# Altium PCB H204_.PcbDoc (part 1 of 4) (continued)
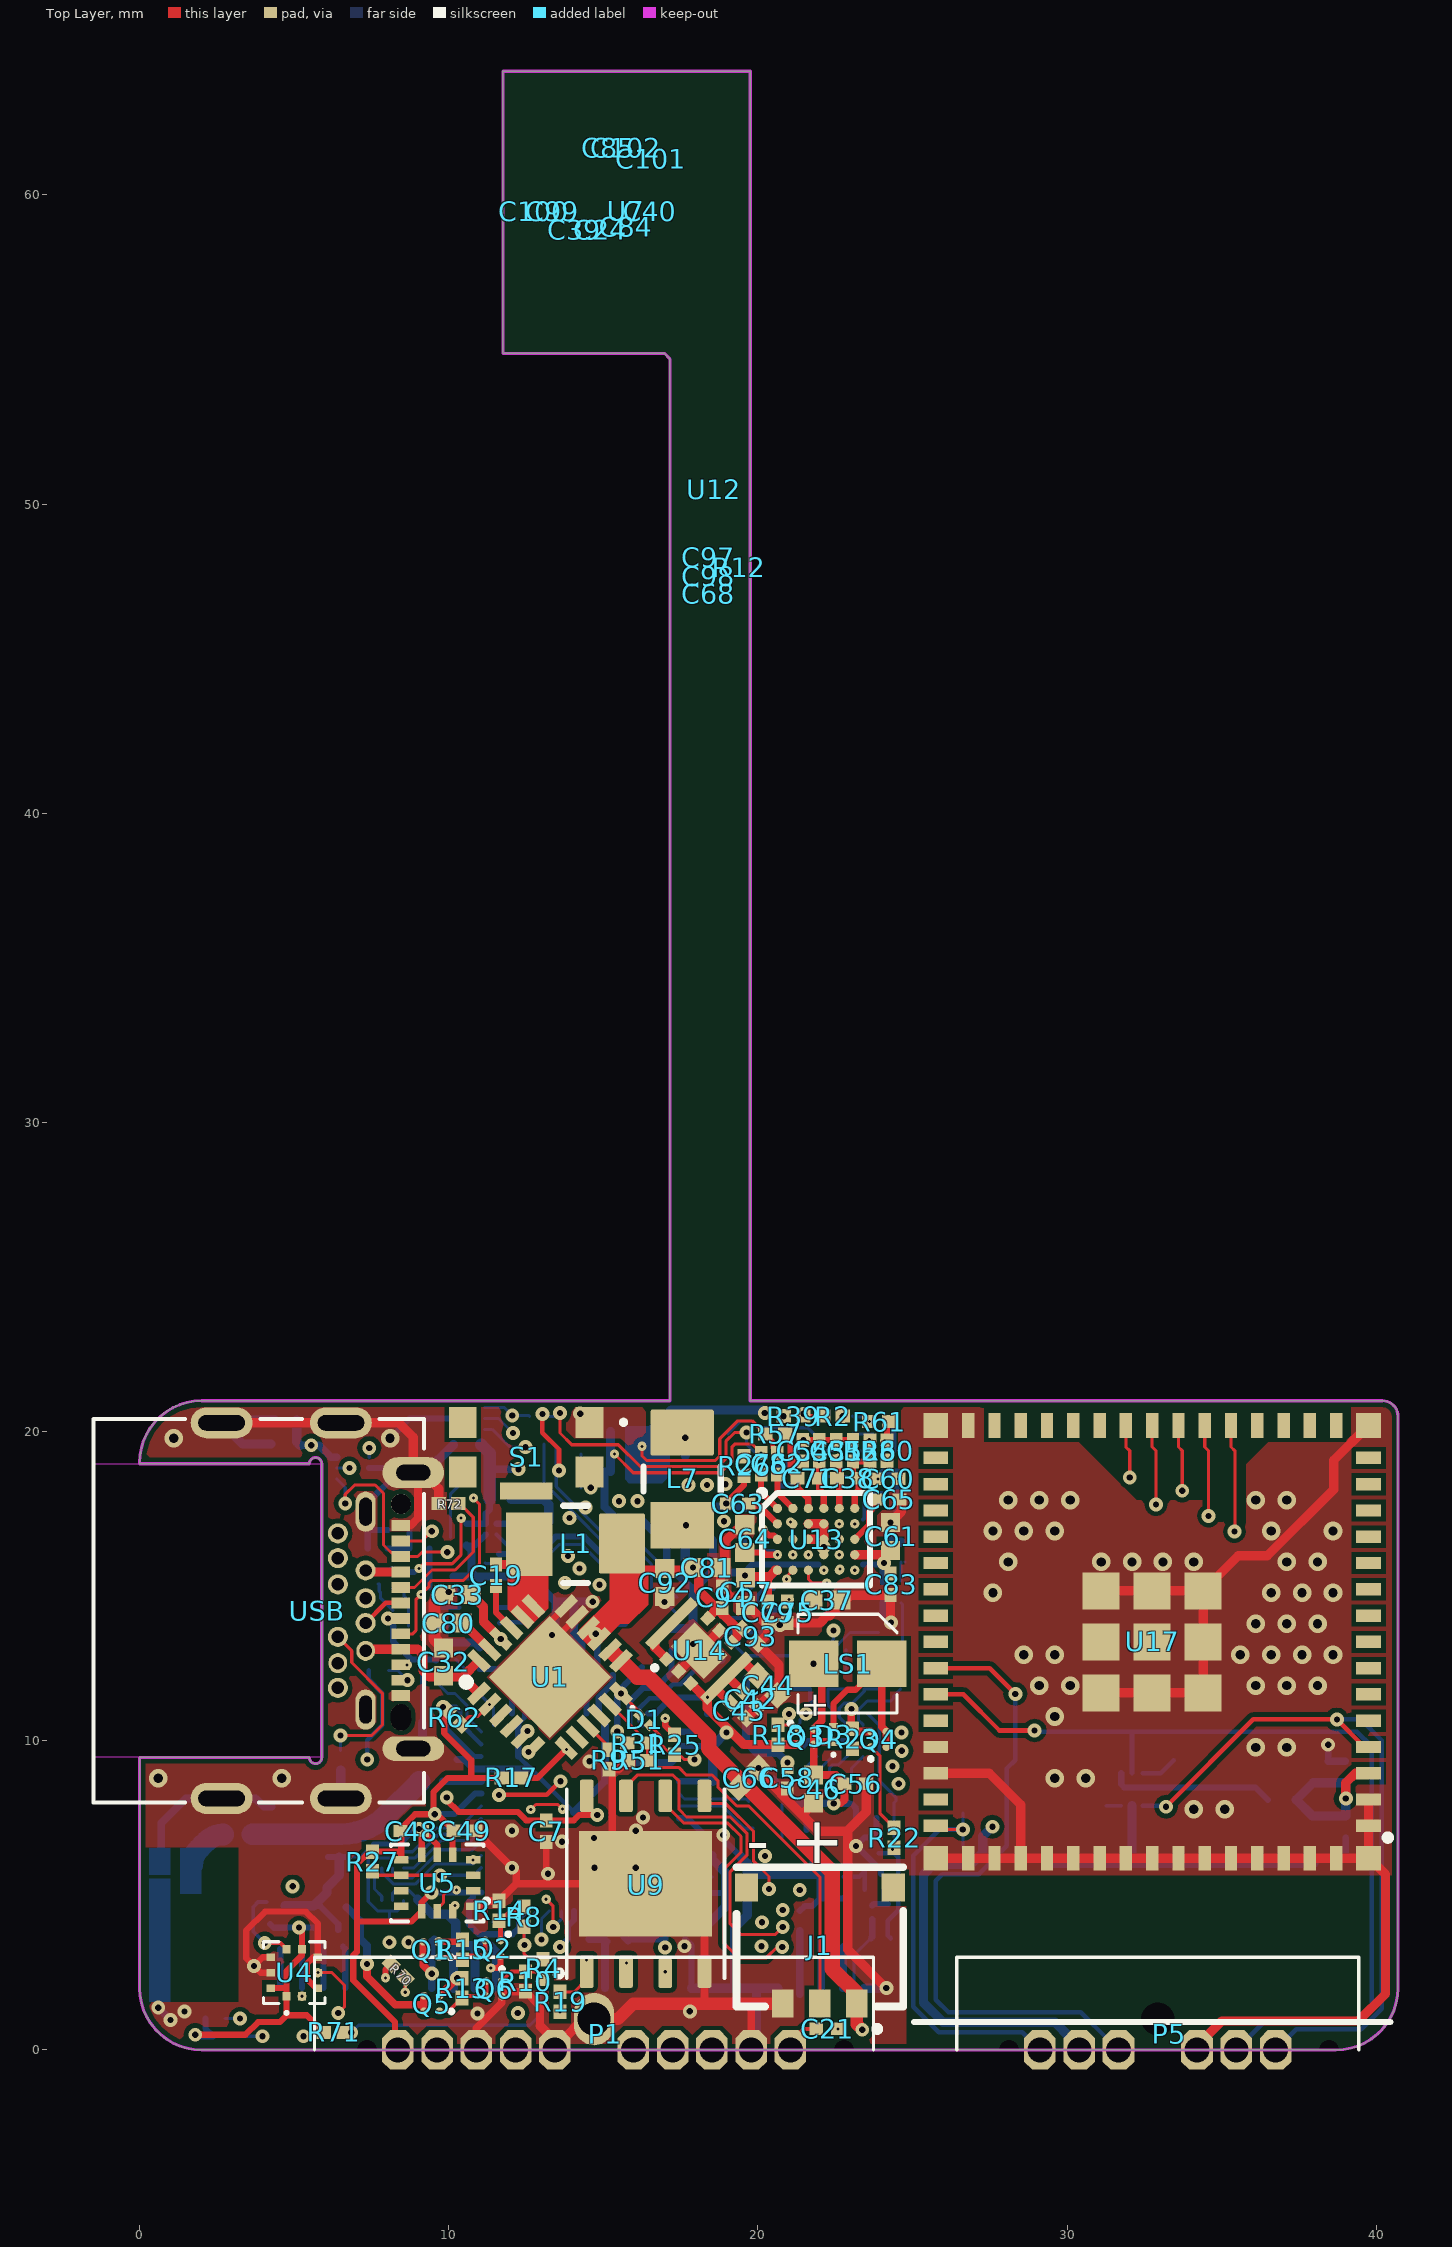
[diagram p0: Top Layer view]
## Components (designator, comment, footprint, x,y, rotation, side; value= is the part's Value field where it differs from the comment)
ANT1 "2450AT07A0100" 2450AT07A0100 1.15,5.601 r270 bottom
C1 "1uF" CAPC0603X33N#1 14.3,12.58 r90 bottom
C2 "1uF" CAPC0603X33N#1 17.2,13.2 r90 bottom
C3 "4.7uF" CAPC1005X55N#1 18.801,12.124 r90 bottom
C4 "1uF" CAPC0603X33N#1 10.998,12.667 r90 bottom
C5 "4.7uF" CAPC1005X55N#1 17.9,12.68 r90 bottom
C6 "0.1uF" CAPC0603X33N#1 13.1,13.38 r0 bottom
C7 "0.1uF" CAPC0603X33N#1 13.15,7.076 r270 top
C8 "2.2nF" CAPC0603X33N#1 9.525,10.539 r180 bottom
C9 "0.1uF" CAPC0603X33N#1 17.3,3.58 r0 bottom
C10 "1uF" CAPC0603X33N#1 14.4,13.78 r180 bottom
C11 "1uF" CAPC0603X33N#1 15.3,12.48 r90 bottom
C12 "0.1uF" CAPC0603X33N#1 18.54,7.035 r0 bottom
C13 "0.1uF" CAPC0603X33N#1 15.45,3.505 r180 bottom
C14 "0.1uF" CAPC0603X33N#1 19.3,5.08 r0 bottom
C15 "0.1uF" CAPC0603X33N#1 14.223,3.58 r0 bottom
C16 "0.1uF" CAPC0603X33N#1 9.3,7.38 r225 bottom
C17 "0.1uF" CAPC0603X33N#1 9.463,11.095 r180 bottom
C18 "0.1uF" CAPC0603X33N#1 9.95,4.742 r270 bottom
C19 "47nF" CAPC0603X33N#1 11.525,15.355 r270 top
C20 "0.7pF" CAPC0603X33N#1 10.258,9.042 r270 bottom
C21 "1uF" CAPC0603X33N#1 22.233,0.68 r0 top
C22 "22uF" CAPC1005X55N#1 38.298,7.08 r270 bottom
C23 "0.1uF" CAPC0603X33N#1 38.442,8.992 r90 bottom
C24 "10uF" CAPC1005X55N#2 14.905,58.876 r270 top
C25 "1uF" CAPC0603X33N#1 26.625,8.009 r90 bottom
C26 "N.C." CAPC0603X33N#1 2,7.15 r315 bottom
C27 "1uF" CAPC0603X33N#1 6.775,3.875 r0 bottom
C28 "1uF" CAPC0603X33N#1 9.875,3.58 r0 bottom
C29 "1uF" CAPC0603X33N#1 21.238,18.607 r90 bottom
C30 "4.7uF" CAPC1005X55N#1 22.79,4.447 r90 bottom
C31 "1uF" CAPC0603X33N#1 19.55,17.155 r90 bottom
C32 "22uF" CAPC1005X55N#1 9.825,12.555 r90 top
C33 "4.7uF" CAPC1005X55N#1 10.275,14.73 r180 top
C34 "1nF" CAPC0603X33N#1 11.673,17.805 r0 bottom
C35 "1uF" CAPC0603X33N#1 24.074,14.812 r270 bottom
C36 "4.7uF" CAPC1005X55N#1 10.594,19.476 r180 bottom
C37 "10uF" CAPC1005X55N#1 22.227,14.552 r0 top
C38 "47pF" CAPC0603X33N#1 22.908,18.492 r180 top
C39 "10uF" CAPC1005X55N#2 14.05,58.876 r270 top
C40 "10uF" CAPC1005X55N#2 16.493,59.476 r270 top
C41 "4.7uF" CAPC1005X55N#1 12.785,17.151 r0 bottom
C42 "1nF" CAPC0603X33N#1 19.75,11.342 r135 top
C43 "100pF" CAPC0603X33N#1 19.37,10.967 r315 top
C44 "22uF" CAPC1005X55N#1 20.31,11.79 r315 top
C45 "10uF" CAPC1005X55N#1 4.7,19.6 r180 bottom
C46 "22uF" CAPC1005X55N#1 21.8,8.44 r270 top
C47 "0.1uF" CAPC0603X33N#1 4.73,20.376 r180 bottom
C48 "0.1uF" CAPC0603X33N#1 8.784,7.08 r0 top
C49 "0.1uF" CAPC0603X33N#1 10.507,7.092 r0 top
C50 "0.1uF" CAPC0603X33N#1 4.7,4.31 r90 bottom
C51 "10pF" CAPC0603X33N#1 22.536,19.38 r270 top
C52 "10pF" CAPC0603X33N#1 23.073,19.38 r90 top
C53 "10pF" CAPC0603X33N#1 21.978,19.38 r270 top
C54 "10pF" CAPC0603X33N#1 21.448,19.38 r90 top
C55 "0.1uF" CAPC0603X33N#1 5.625,4.305 r90 bottom
C56 "0.1uF" CAPC0603X33N#1 23.15,8.612 r0 top
C57 "10uF" CAPC1005X55N#1 19.6,14.825 r270 top
C58 "0.1uF" CAPC0603X33N#1 20.95,8.801 r270 top
C59 "0.1uF" CAPC0603X33N#1 24.627,14.813 r90 bottom
C60 "1uF" CAPC0603X33N#1 24.197,18.47 r180 top
C61 "10uF" CAPC1005X55N#1 24.288,16.61 r90 top
C62 "0.1uF" CAPC0603X33N#1 20.628,18.607 r90 bottom
C63 "1uF" CAPC0603X33N#1 19.35,17.675 r180 top
C64 "15uF" CAPC1005X55N#1 19.574,16.535 r90 top
C65 "1nF" CAPC0603X33N#1 24.225,17.805 r0 top
C66 "22uF" CAPC1005X55N#1 19.703,8.801 r45 top
C67 "10uF" CAPC1005X55N#1 6.375,4.93 r315 bottom
C68 "0.1uF" CAPC0603X33N#2 18.389,47.1 r0 top
C69 "0.1uF" CAPC0603X33N#1 24.074,16.105 r90 bottom
C70 "0.1uF" CAPC0603X33N#1 19.55,15.792 r270 bottom
C71 "47pF" CAPC0603X33N#1 21.628,18.492 r0 top
C72 "1uF" CAPC0603X33N#1 4.947,3.348 r180 bottom
C73 "1uF" CAPC0603X33N#1 6.225,3.342 r0 bottom
C74 "100pF" CAPC0603X33N#1 10.504,16.546 r270 bottom
C75 "0.1uF" CAPC0603X33N#1 20.948,14.158 r270 top
C76 "47nF" CAPC0603X33N#1 20.1,18.96 r90 top
C77 "4.7uF" CAPC1005X55N#1 22.05,4.055 r90 bottom
C78 "N.C." CAPC0603X33N#1 8.467,8.574 r315 bottom
C79 "0.1uF" CAPC0603X33N#1 20.31,14.158 r270 top
C80 "10uF" CAPC1005X55N#1 9.988,13.805 r180 top
C81 "10uF" CAPC1005X55N#1 18.348,15.602 r0 top
C82 "47nF" CAPC0603X33N#1 20.628,18.965 r90 top
C83 "0.1uF" CAPC0603X33N#1 24.288,15.06 r270 top
C84 "0.1uF" CAPC0603X33N#3 15.73,58.976 r270 top
C85 "0.1uF" CAPC0603X33N#3 15.15,61.522 r90 top
C86 "10uF" CAPC1005X55N#1 18.103,16.424 r0 bottom
C87 "10uF" CAPC1005X55N#1 15.485,18.718 r180 bottom
C88 "1nF" CAPC0603X33N#1 39.013,7.217 r90 bottom
C89 "100pF" CAPC0603X33N#1 38.998,8.992 r90 bottom
C90 "0.1uF" CAPC0603X33N#1 22.423,5.6 r180 bottom
C91 "0.1uF" CAPC0603X33N#1 8.38,16.817 r180 bottom
C92 "10uF" CAPC1005X55N#1 16.981,15.117 r270 top
C93 "1nF" CAPC0603X33N#1 19.75,13.384 r315 top
C94 "100pF" CAPC0603X33N#1 18.842,14.642 r90 top
C95 "1nF" CAPC0603X33N#1 15.583,19.46 r180 bottom
C96 "100pF" CAPC0603X33N#1 15.583,19.992 r180 bottom
C97 "1nF" CAPC0603X33N#2 18.389,48.275 r180 top
C98 "100pF" CAPC0603X33N#2 18.389,47.675 r0 top
C99 "1nF" CAPC0603X33N#3 13.35,59.476 r90 top
C100 "100pF" CAPC0603X33N#3 12.75,59.476 r270 top
C101 "1nF" CAPC0603X33N#3 16.53,61.176 r270 top
C102 "100pF" CAPC0603X33N#3 15.73,61.526 r90 top
C103 "4.7uF" CAPC1005X55N#1 18.96,6.275 r0 bottom
C104 "0.1uF" CAPC0603X33N#1 18.9,8.68 r0 bottom
C105 "0.1uF" CAPC0603X33N#1 23.175,6.95 r270 bottom
C106 "10uF" CAPC1005X55N#1 19.525,19.25 r180 bottom
D1 "NSR01L30NXT5G" NSR01L30NXT5G 16.327,10.673 r225 top
D3 "NSR01L30NXT5G" NSR01L30NXT5G 22.44,10.2 r0 top
DS1 "QG-2864TMBEG01" QG-2864TMBEG01 14,2.3 r0 bottom locked
FL1 "EMI2121MTTAG" EMI2121MTTAG 10.689,14.562 r90 bottom
J1 "78171-0003" 78171-0003 22,1.5 r180 top
L1 "1uH / CBC3225T1R0MR" INDM3225X210N#1 14.1,16.353 r0 top
L2 "10µH" INDC1608X100N#1 12.648,12.51 r0 bottom
L3 "N.C." INDC0603X33N 3.928,7.413 r90 bottom
L4 "0R" INDC0603X33N 3.116,6.968 r180 bottom
L5 "10µH" INDC1608X100N#2 16.248,13.18 r270 bottom
L6 "2.2nH" INDC0603X33N 9.481,8.693 r0 bottom
L7 "2.2uH / CBC3225T2R2MR" INDM3225X210N#2 17.548,18.47 r90 top
L8 "BLM15AX601SN1D" INDC1005X55N 36.948,8.092 r0 bottom
LS1 "SMT-0340-T-R" SMT0340TR 22.9,12.492 r270 top
P1 "EC10-IDC-050" EC10-IDC-050 14.7,1 r180 top locked
P5 "EC06-IDC-050" EC06-IDC-050 32.93,1 r180 top
Q1 "CSD23202W10" 4-UFBGA 9.423,3.249 r180 top
Q2 "CSD13201W10" CSD13201W10 11.423,3.292 r270 top
Q3 "CSD23202W10" 4-UFBGA 21.55,10.132 r0 top
Q4 "CSD13201W10" CSD13201W10 23.905,10.048 r90 top
Q5 "CSD23202W10" 4-UFBGA 9.45,1.5 r180 top
Q6 "CSD13201W10" CSD13201W10 11.464,1.98 r270 top
Q7 "CSD23202W10" 4-UFBGA 23.947,4.422 r90 bottom
Q8 "CSD23202W10" 4-UFBGA 9.123,15.21 r0 bottom
Q9 "CSD13201W10" CSD13201W10 24.15,6.617 r180 bottom
Q10 "CSD13201W10" CSD13201W10 8.45,13.96 r270 bottom
R1 "200R" RESC0603X26N#1 24.148,8.067 r0 bottom
R2 "200R" RESC0603X26N#1 22.423,20.5 r0 top
R3 "10k" RESC0603X26N#1 24.148,7.492 r0 bottom value=10K
R4 "200R" RESC0603X26N#1 13.05,2.618 r270 top
R5 "10k" RESC0603X26N#1 23.973,3.554 r180 bottom value=10K
R6 "0R" RESC0603X26N#1 8.075,3.805 r270 bottom
R7 "10k" RESC0603X26N#1 8.173,15.239 r90 bottom value=10K
R8 "200R" RESC0603X26N#1 12.425,4.312 r90 top
R9 "0R" RESC0603X26N#1 15.173,9.392 r90 top
R10 "10k" RESC0603X26N#1 12.475,2.216 r90 top value=10K
R11 "2R2" RESC0603X26N#1 18.678,10.867 r180 bottom
R12 "0R" RESC0603X26N#2 19.375,47.955 r90 top
R13 "10k" RESC0603X26N#1 10.425,2 r90 top value=10K
R14 "10k" RESC0603X26N#1 11.624,4.5 r270 top value=10K
R15 "10k" RESC0603X26N#1 10.442,3.242 r90 top value=10K
R16 "10k" RESC0603X26N#1 26.95,6.55 r180 bottom value=10K
R17 "4.7k" RESC0603X26N#1 12.025,8.797 r180 top
R18 "10k" RESC0603X26N#1 20.65,10.193 r270 top value=10K
R19 "4.7k" RESC0603X26N#1 13.599,1.557 r90 top
R20 "4.7k" RESC0603X26N#1 2.448,1.017 r0 bottom
R21 "4.7k" RESC0603X26N#1 2.696,0.444 r0 bottom
R22 "200R" RESC0603X26N#1 24.4,6.867 r90 top
R23 "10k" RESC0603X26N#1 23.05,10.067 r90 top value=10K
R24 "4.7k" RESC0603X26N#1 4.098,4.466 r90 bottom
R25 "10k" RESC0603X26N#1 17.3,9.87 r270 top value=10K
R26 "324k" RESC0603X26N#1 19.55,18.89 r90 top
R27 "4.7k" RESC0603X26N#1 7.525,6.094 r270 top
R28 "4.7k" RESC0603X26N#1 21.9,8.292 r90 bottom
R29 "4.7k" RESC0603X26N#1 21.329,8.289 r90 bottom
R30 "4.7k" RESC0603X26N#1 22.464,8.276 r90 bottom
R31 "5.49k" RESC0603X26N#1 16.098,9.928 r0 top
R32 "0R" RESC0603X26N#1 8.7,3.805 r270 bottom
R33 "4.7k" RESC0603X26N#1 23.029,8.276 r90 bottom
R34 "10R" RESC0603X26N#1 24.627,16.105 r90 bottom
R35 "4.7k" RESC0603X26N#1 19.95,10.792 r0 bottom
R36 "N.C." RESC0603X26N#1 22.423,18.01 r0 bottom
R37 "N.C." RESC0603X26N#1 21.679,11.992 r270 bottom
R38 "N.C." RESC0603X26N#1 24.024,11.992 r270 bottom
R39 "200R" RESC0603X26N#1 21.148,20.5 r180 top
R40 "N.C." RESC0603X26N#1 22.265,11.992 r270 bottom
R41 "4.7k" RESC0603X26N#1 19.95,11.404 r0 bottom
R42 "4.7k" RESC0603X26N#1 19.934,10.102 r0 bottom
R43 "0R" RESC0603X26N#1 21.093,11.992 r90 bottom
R44 "0R" RESC0603X26N#1 22.851,11.992 r90 bottom
R45 "4.7k" RESC0603X26N#1 19.934,11.992 r0 bottom
R46 "0R" RESC0603X26N#1 23.438,11.992 r90 bottom
R47 "0R" RESC0603X26N#1 24.61,11.992 r90 bottom
R48 "4.7k" RESC0603X26N#1 24.06,20.476 r180 bottom
R49 "4.7k" RESC0603X26N#1 24.06,19.92 r180 bottom
R50 "4.7k" RESC0603X26N#1 24.05,19.376 r180 bottom
R51 "30.9k" RESC0603X26N#1 16.103,9.367 r180 top
R52 "4.7k" RESC0603X26N#1 24.06,18.33 r90 bottom
R53 "0R" RESC0603X26N#1 22.743,19.92 r180 bottom
R54 "0R" RESC0603X26N#1 22.76,19.376 r180 bottom
R55 "0R" RESC0603X26N#1 22.743,20.5 r180 bottom
R56 "910k" RESC0603X26N#1 21.35,4.18 r270 bottom
R57 "200R" RESC0603X26N#1 20.561,19.92 r0 top
R58 "200R" RESC0603X26N#1 23.617,19.38 r270 top
R59 "0R" RESC0603X26N#1 23.45,18.237 r90 bottom
R60 "4.7k" RESC0603X26N#1 24.177,19.38 r270 top
R61 "4.7k" RESC0603X26N#1 23.923,20.325 r180 top
R62 "4.7k" RESC0603X26N#1 10.174,10.76 r135 top
R63 "200R" RESC0603X26N#1 20.998,10.546 r90 bottom
R64 "27k" RESC0603X26N#1 23.775,5.176 r180 bottom value=27K
R65 "75k" RESC0603X26N#3 23.659,5.711 r0 bottom value=75K
R66 "47k" RESC0603X26N#1 9.05,16.217 r180 bottom value=47K
R67 "75k" RESC0603X26N#1 7.698,16.217 r180 bottom value=75K
R68 "200k" RESC0603X26N#1 12.935,20.488 r180 bottom
R69 "0R" RESC0603X26N#1 20.775,8.253 r90 bottom
R70 "10k" RESC0603X26N#1 8.365,2.555 r315 top value=10K
R71 "10k" RESC0603X26N#1 6.275,0.567 r0 top value=10K
R72 "5.1k" RESC0603X26N#1 9.991,17.676 r180 top
R73 "5.1k" RESC0603X26N#1 6.5,9.374 r270 bottom
R74 "4.7k" RESC0603X26N#1 7.725,12.275 r0 bottom
S1 "KMS231GLFS" KMS231GLFS 12.5,19.5 r180 top locked
U1 "BQ25601RTWT" QFN50P400X400X80-25N-D 13.27,12.06 r45 top
U2 "MAX17222ELT+" MAX17220ALT 17.648,18.32 r0 bottom
U3 "MAX32664GTGD+" MAX32664GTGD 20.498,15.705 r90 bottom locked
U4 "BMP388" BMP388 5,2.5 r180 top locked
U5 "BMI270" XDCR_BMI270 9.624,5.4 r180 top
U6 "TPD5E003DPFR" SON35P100X100X40-6N 8.18,5.362 r90 bottom
U7 "MAX30101EFD+" 14-LEAD-OESIP 15.73,59.476 r90 top
U8 "TPD5E003DPFR" SON35P100X100X40-6N 32.098,8.425 r90 bottom
U9 "W25Q128JVPIQ" SON127P500X600X80-9N 16.365,5.375 r90 top locked
U10 "TPD5E003DPFR" SON35P100X100X40-6N 6.9,18.82 r180 bottom
U11 "TPD5E003DPFR" SON35P100X100X40-6N 10.625,20.425 r0 bottom
U12 "TMP117MAIDRVT" SON65P200X200X80-7N 18.575,50.475 r270 top
U13 "MAX30001CWV+" BGA30C50P6X5_293X274X69 21.878,16.517 r0 top locked
U14 "XCL206A333CR-G" XCL206A333CRG 18.098,12.91 r315 top
U15 "nRF5340-QKAA" AQFN40P700X700X85_HS-99N 14.248,7.692 r180 bottom locked
U16 "LP5907UVX-1.8-NOPB" BGA4C35P2X2_64X64X44 11.369,16.845 r180 bottom
U17 "ESP32-S2-MINI-1" ESP32S2MINI1 32.75,13.2 r180 top locked
U18 "PI4ULS3V204GAEX" BGA12C50P3X4_137X187X62 22.65,9.992 r90 bottom
USB "TE_2129691-1" TE_2129691-1 3.85,14.21 r270 top locked
X1 "ECS-.327-7-1210-TR" XTAL_ECS-.327-7-1210-TR 19.825,7.577 r270 bottom
X2 "32MHz" OSC_XRCTD37M400FXQ50R0 9.9,12.28 r0 bottom
X3 "ECS-.327-7-1210-TR" XTAL_ECS-.327-7-1210-TR 19.174,14.387 r90 bottom
X4 "SIT1533AI-H4-DCC-32.768E" SIT1533AIH4DCC32768E 21.673,6.675 r180 bottom

## Footprints (in the part's own frame and the unit in brackets; to place one, negate y for a bottom-side part, rotate by r counter-clockwise, add the part's x,y. Pads: shape width x height; smd on the part's side, far side on the other; paste and mask are expansions set on the pad)
4-UFBGA [mm]
  round 0.25 smd: D(0.25,0.25) D(0.25,-0.25) G(-0.25,0.25) S(-0.25,-0.25)
  silkscreen extent -0.68,0.2 -0.59,0.3, body extent -0.5,-0.5 0.5,0.5, height 0.4
14-LEAD-OESIP [mm]
  rect 0.75x0.35 on Mid1: 1(-1.2,-2.4) 2(-1.2,-1.6) 3(-1.2,-0.8) 4(-1.2,0) 5(-1.2,0.8) 6(-1.2,1.6) 7(-1.2,2.4) 8(1.2,2.4) 9(1.2,1.6) 10(1.2,0.8) 11(1.2,0) 12(1.2,-0.8) 13(1.2,-1.6) 14(1.2,-2.4)
  body extent -1.46,-2.8 1.34,2.8
2450AT07A0100 [mm] "2.4GHz Bluetooth, WLAN, Zigbee™ Chip RF Antenna 2.4GHz ~ 2.48GHz -2dBi Solder Surface Mount"
  rect 0.25x0.3 smd: 1(-0.175,-0.3) 1(0.175,-0.3) 2(-0.175,0.3) 2(0.175,0.3)
  Top Layer region: 0.05,0.85 4.05,0.85 4.05,0.15 0.05,0.15
  Top Layer region: -0.95,-0.15 0.55,-0.15 0.55,-0.85 -0.95,-0.85
  Top Layer region: -0.95,0.85 -0.05,0.85 -0.05,0.15 -0.95,0.15
  Top Layer pour cut-out: -0.95,0.95 -0.95,-2.05 4.05,-2.05 4.05,0.95
  body extent -0.25,-0.5 0.25,0.5, height 0.37
78171-0003 [mm]
  rect 0.7x0.9 smd: 1(-1.2,0) 2(0,0) 3(1.2,0)
  rect 0.75x0.9 smd: 4(-2.375,-3.75) 5(2.375,-3.75)
  silkscreen extent -2.7,-4.41 2.7,0.88, body extent -2.7,-4.12 2.7,0.41, height 1.45
AQFN40P700X700X85_HS-99N [mm] "AQFN, 98-Leads, Body 7.00x7.00mm, Pitch 0.40mm, Thermal Pad 5.4x5.0mm, IPC Medium Density"
  rect 5.4x5 smd paste-5 mask+0.05: 104(0.2,0)
  round 0.4 smd paste+0.012 mask+0.05: A1(-3.2,3.2) A31(3.2,3.2) AL1(-3.2,-3.2) AL31(3.2,-3.2)
  round 0.225 smd paste+0.012 mask+0.05: A5(-2.2,3.2) A13(-0.6,3.2) A15(-0.2,3.2) A17(0.2,3.2) A19(0.6,3.2) A21(1,3.2) A23(1.4,3.2) A25(1.8,3.2) A27(2.2,3.2) AA1(-3.2,-1) AA31(3.2,-1) AB2(-2.8,-1.2) AC1(-3.2,-1.4) AC31(3.2,-1.4) AD2(-2.8,-1.6) AE1(-3.2,-1.8) AE31(3.2,-1.8) AF2(-2.8,-2) AG1(-3.2,-2.2) AG31(3.2,-2.2) AH2(-2.8,-2.4) AJ1(-3.2,-2.6) AJ31(3.2,-2.6) AK2(-2.8,-2.8) AK4(-2.4,-2.8) AK6(-2,-2.8) AK8(-1.6,-2.8) AK10(-1.2,-2.8) AK12(-0.8,-2.8) AK14(-0.4,-2.8) AK16(0,-2.8) AK18(0.4,-2.8) AK20(0.8,-2.8) AK22(1.2,-2.8) AK24(1.6,-2.8) AK26(2,-2.8) AK28(2.4,-2.8) AK30(2.8,-2.8) AL3(-2.6,-3.2) AL5(-2.2,-3.2) AL7(-1.8,-3.2) AL9(-1.4,-3.2) AL11(-1,-3.2) AL13(-0.6,-3.2) AL15(-0.2,-3.2) AL17(0.2,-3.2) AL19(0.6,-3.2) AL21(1,-3.2) AL23(1.4,-3.2) AL25(1.8,-3.2) AL27(2.2,-3.2) AL29(2.6,-3.2) B2(-2.8,2.8) B4(-2.4,2.8) B6(-2,2.8) B8(-1.6,2.8) B10(-1.2,2.8) B12(-0.8,2.8) B14(-0.4,2.8) B16(0,2.8) B18(0.4,2.8) B20(0.8,2.8) B22(1.2,2.8) B24(1.6,2.8) B26(2,2.8) B28(2.4,2.8) B30(2.8,2.8) C1(-3.2,2.6) C31(3.2,2.6) D2(-2.8,2.4) E1(-3.2,2.2) E31(3.2,2.2) F2(-2.8,2) G1(-3.2,1.8) G31(3.2,1.8) H2(-2.8,1.6) J1(-3.2,1.4) J31(3.2,1.4) K2(-2.8,1.2) L1(-3.2,1) L31(3.2,1) M2(-2.8,0.8) N1(-3.2,0.6) N31(3.2,0.6) P2(-2.8,0.4) R1(-3.2,0.2) R31(3.2,0.2) T2(-2.8,0) U1(-3.2,-0.2) U31(3.2,-0.2) V2(-2.8,-0.4) W1(-3.2,-0.6) W31(3.2,-0.6) Y2(-2.8,-0.8)
  rrect15% 1.1x1 on Bottom Paste: ""(-1.75,-1.8) ""(-1.75,-0.6) ""(-1.75,0.6) ""(-1.75,1.8) ""(-0.45,-1.8) ""(-0.45,-0.6) ""(-0.45,0.6) ""(-0.45,1.8) ""(0.85,1.8) ""(0.85,-1.8) ""(0.85,-0.6) ""(0.85,0.6) ""(2.15,1.8) ""(2.15,-1.8) ""(2.15,-0.6) ""(2.15,0.6)
  silkscreen extent -3.99,-3.6 3.6,4.03, body extent -3.5,-3.5 3.5,3.5, height 0.85
BGA4C35P2X2_64X64X44 [mm]
  round 0.208 smd: A1(-0.175,0.175) A2(0.175,0.175) B1(-0.175,-0.175) B2(0.175,-0.175)
  silkscreen extent -0.63,-0.63 0.63,0.63, body extent -0.32,-0.32 0.32,0.32, height 0.45
BGA12C50P3X4_137X187X62 [mm]
  round 0.24 smd: A1(-0.5,0.75) A2(0,0.75) A3(0.5,0.75) B1(-0.5,0.25) B2(0,0.25) B3(0.5,0.25) C1(-0.5,-0.25) C2(0,-0.25) C3(0.5,-0.25) D1(-0.5,-0.75) D2(0,-0.75) D3(0.5,-0.75)
  silkscreen extent -1.05,-1.2 0.95,1.3, body extent -0.68,-0.94 0.68,0.93, height 0.63
BGA30C50P6X5_293X274X69 [mm]
  round 0.298 smd: A1(-1.25,1) A2(-0.75,1) A3(-0.25,1) A4(0.25,1) A5(0.75,1) A6(1.25,1) B1(-1.25,0.5) B2(-0.75,0.5) B3(-0.25,0.5) B4(0.25,0.5) B5(0.75,0.5) B6(1.25,0.5) C1(-1.25,0) C2(-0.75,0) C3(-0.25,0) C4(0.25,0) C5(0.75,0) C6(1.25,0) D1(-1.25,-0.5) D2(-0.75,-0.5) D3(-0.25,-0.5) D4(0.25,-0.5) D5(0.75,-0.5) D6(1.25,-0.5) E1(-1.25,-1) E2(-0.75,-1) E3(-0.25,-1) E4(0.25,-1) E5(0.75,-1) E6(1.25,-1)
  silkscreen extent -1.85,-1.5 1.75,1.6, body extent -1.46,-1.37 1.46,1.37, height 0.69
BMP388 [mm]
  rect 0.25x0.275 smd: 1(0.25,0.763) 2(-0.25,0.763) 6(-0.25,-0.763) 7(0.25,-0.763)
  rect 0.275x0.25 smd: 3(-0.762,0.5) 4(-0.762,0) 5(-0.762,-0.5) 8(0.762,-0.5) 9(0.762,0) 10(0.762,0.5)
  silkscreen extent -1,-1 1,1.35, body extent -1,-1 1,1, height 0.8
CAPC0603X33N#1 [mm] "Chip Capacitor, EIA 0201, Metric 0603, Body 0.6x0.30mm, IPC Medium Density"
  rect 0.45x0.4 smd: 1(-0.35,0) 2(0.35,0)
  body extent -0.31,-0.16 0.32,0.17, height 0.33
CAPC0603X33N#2 [mm] "Chip Capacitor, EIA 0201, Metric 0603, Body 0.6x0.30mm, IPC Medium Density"
  rect 0.45x0.4 on Mid1: 1(-0.35,0) 2(0.35,0)
  body extent -0.31,-0.16 0.32,0.17, height 0.33
CAPC0603X33N#3 [mm] "Chip Capacitor, EIA 0201, Metric 0603, Body 0.6x0.30mm, IPC Medium Density"
  rect 0.45x0.4 on Mid2: 1(-0.35,0) 2(0.35,0)
  body extent -0.31,-0.16 0.32,0.17, height 0.33
CAPC1005X55N#1 [mm] "Chip Capacitor, Body 1.0x0.55mm, IPC Medium Density"
  rect 0.62x0.62 smd: 1(-0.45,0) 2(0.45,0)
  body extent -0.52,-0.27 0.53,0.28, height 0.55
CAPC1005X55N#2 [mm] "Chip Capacitor, Body 1.0x0.55mm, IPC Medium Density"
  rect 0.62x0.62 on Mid2: 1(-0.45,0) 2(0.45,0)
  body extent -0.52,-0.27 0.53,0.28, height 0.55
CSD13201W10 [mm]
  round 0.25 smd: D(-0.25,-0.25) D(0.25,-0.25) G(-0.25,0.25) S(0.25,0.25)
  silkscreen extent -0.5,0.45 -0.4,0.55, body extent -0.5,-0.5 0.5,0.5, height 0.62
EC06-IDC-050 [mm]
  round 0.32 hole 0.64 unplated: 0(-5.54,1) 0(4.81,1)
  round 0.535 hole 1.07 unplated: 0(0,0)
  oct 1.02x1.28 hole 0.8: 1(3.81,1) 2(2.54,1) 3(1.27,1) 4(-1.27,1) 5(-2.54,1) 6(-3.81,1)
  silkscreen extent -6.5,-2 6.5,1
EC10-IDC-050 [mm]
  round 0.32 hole 0.64 unplated: 0(-8.08,1) 0(7.35,1)
  oct 1.02x1.28 hole 0.8: 1(6.35,1) 2(5.08,1) 3(3.81,1) 4(2.54,1) 5(1.27,1) 6(-1.27,1) 7(-2.54,1) 8(-3.81,1) 9(-5.08,1) 10(-6.35,1)
  oval 1.3x1.7 / inner round 1.3 / far side oval 1.3x1.7 hole 1.07: 3(0,0)
  silkscreen extent -9.04,-2 9.04,1
EMI2121MTTAG [mm]
  rect 0.4x1 smd: 1(-0.75,-0.35)
  rect 0.3x1 smd: 2(-0.25,-0.35) 7(-0.25,0.95) 8(-0.75,0.95)
  rect 0.3x0.6 smd: 3(0.25,-0.55) 4(0.75,-0.55) 5(0.75,1.15) 6(0.25,1.15)
  rect 0.54x0.8 smd: 9(0.63,0.3)
  silkscreen extent -1.1,-1.3 1.1,1.3, body extent -1.1,-0.7 1.1,1.3, height 0.8
ESP32S2MINI1 [mm]
  rect 0.8x0.4 smd: 1(-7,5.95) 2(-7,5.1) 3(-7,4.25) 4(-7,3.4) 5(-7,2.55) 6(-7,1.7) 7(-7,0.85) 8(-7,0) 9(-7,-0.85) 10(-7,-1.7) 11(-7,-2.55) 12(-7,-3.4) 13(-7,-4.25) 14(-7,-5.1) 15(-7,-5.95) 31(7,-5.95) 32(7,-5.1) 33(7,-4.25) 34(7,-3.4) 35(7,-2.55) 36(7,-1.7) 37(7,-0.85) 38(7,0) 39(7,0.85) 40(7,1.7) 41(7,2.55) 42(7,3.4) 43(7,4.25) 44(7,5.1) 45(7,5.95)
  rect 0.4x0.8 smd: 16(-5.95,-7) 17(-5.1,-7) 18(-4.25,-7) 19(-3.4,-7) 20(-2.55,-7) 21(-1.7,-7) 22(-0.85,-7) 23(0,-7) 24(0.85,-7) 25(1.7,-7) 26(2.55,-7) 27(3.4,-7) 28(4.25,-7) 29(5.1,-7) 30(5.95,-7) 46(5.95,7) 47(5.1,7) 48(4.25,7) 49(3.4,7) 50(2.55,7) 51(1.7,7) 52(0.85,7) 53(0,7) 54(-0.85,7) 55(-1.7,7) 56(-2.55,7) 57(-3.4,7) 58(-4.25,7) 59(-5.1,7) 60(-5.95,7)
  rect 1.2x1.2 smd: 61(0,0) 66(1.65,1.65) 67(0,1.65) 68(-1.65,1.65) 69(1.65,0) 70(-1.65,0) 71(1.65,-1.65) 72(0,-1.65) 73(-1.65,-1.65)
  rect 0.8x0.8 smd: 62(-7,7) 63(-7,-7) 64(7,-7) 65(7,7)
  silkscreen extent -7.72,6.23 7.7,12.3, body extent -7.7,-7.7 7.7,12.3, height 2.4
INDC0603X33N [mm] "Chip Inductor, 2-Leads, EIA 0201, Metric 0603, Body 0,60x0,30mm, IPC Medium Density"
  rect 0.47x0.42 smd: 1(-0.32,0) 2(0.32,0)
  body extent -0.31,-0.17 0.32,0.16, height 0.33
INDC1005X55N [mm] "Chip Inductor, 2-Leads, EIA 0402, Metric 1005, Body 1x0.5mm, 0402IPC Medium Density"
  rect 0.6x0.62 smd: 1(-0.46,0) 2(0.46,0)
  body extent -0.52,-0.27 0.53,0.28, height 0.55
INDC1608X100N#1 [mm] "Chip Inductor, 2-Leads, EIA 0603, Metric 1608, Body 1.6x0.8mm, IPC Medium Density"
  rect 0.95x1 smd: 1(-0.8,0) 2(0.8,0)
  body extent -0.87,-0.47 0.88,0.48, height 1
INDC1608X100N#2 [mm] "Chip Inductor, 2-Leads, EIA 0603, Metric 1608, Body 1.6x0.8mm, IPC Medium Density"
  rect 0.95x1 smd: 1(-0.8,0)
  rrect50% 0.95x1 smd: 2(0.8,0)
  body extent -0.87,-0.47 0.88,0.48, height 1
INDM3225X210N#1 [mm] "Inductor, Molded Body; 3.20mm L X 2.50mm W, IPC Medium Density"
  rect 1.5x2.05 smd: 1(-1.5,0)
  rrect10% 1.5x1.95 smd: 2(1.5,0.027)
  silkscreen extent -0.4,-1.25 0.4,1.25, body extent -1.7,-1.35 1.7,1.35, height 2.7
INDM3225X210N#2 [mm] "Inductor, Molded Body; 3.20mm L X 2.50mm W, IPC Medium Density"
  rect 1.5x2.05 smd: 1(-1.5,0)
  rrect10% 1.5x2.05 smd: 2(1.5,0)
  silkscreen extent -0.4,-1.25 0.4,1.25, body extent -1.7,-1.35 1.7,1.35, height 2.7
KMS231GLFS [mm]
  rect 0.9x1 smd: 1(-2.05,-0.8) 2(-2.05,0.8) 4(2.05,0.8) 5(2.05,-0.8)
  rect 1.7x0.55 smd: 3(0,1.425)
  silkscreen extent -3.2,-0.85 -3.1,-0.75, body extent -2.3,-2.15 2.3,1.4, height 1.42
MAX17220ALT [mm]
  rect 0.35x0.8 smd: 1(-0.65,-0.915) 2(0,-0.915) 3(0.65,-0.915) 4(0.65,0.915) 5(0,0.915) 6(-0.65,0.915)
  silkscreen extent -1,-1.65 1,0.2, body extent -1,-1.28 1,1.28, height 0.9
MAX32664GTGD [mm]
  rect 0.7x0.7 smd: 1(-1.45,2.9) 7(-1.45,0) 13(1.45,0) 19(1.45,2.9)
  rect 0.7x0.2 smd: 2(-1.45,2.25) 3(-1.45,1.85) 4(-1.45,1.45) 5(-1.45,1.05) 6(-1.45,0.65) 14(1.45,0.65) 15(1.45,1.05) 16(1.45,1.45) 17(1.45,1.85) 18(1.45,2.25)
  rect 0.2x0.7 smd: 8(-0.8,0) 9(-0.4,0) 10(0,0) 11(0.4,0) 12(0.8,0) 20(0.8,2.9) 21(0.4,2.9) 22(0,2.9) 23(-0.4,2.9) 24(-0.8,2.9)
  rect 1.7x1.7 smd: 25(0,1.45)
  silkscreen extent -2.19,2.83 -2.09,2.93, body extent -1.5,-0.05 1.5,2.95, height 0.9
NSR01L30NXT5G [mm]
  rect 0.3x0.28 smd: 1(0,0.235) 2(0,-0.235)
  silkscreen extent -0.05,-0.6 0.05,-0.5, body extent -0.15,-0.35 0.15,0.35, height 0.4
OSC_XRCTD37M400FXQ50R0 [mm]
  rect 0.4x0.495 smd: 1(-0.325,0.353) 2(-0.325,-0.353) 3(0.325,-0.353) 4(0.325,0.353)
  silkscreen extent -1.15,0.5 -0.95,0.7, body extent -0.5,-0.6 0.5,0.6, height 0.3
QFN50P400X400X80-25N-D [mm]